# Altium PCB BMS_Carrier_Board.PcbDoc (part 1 of 2)
Units mm, origin at the board's own origin, x right, y up, seen from the top; angles counter-clockwise.
Board outline 65.4 x 73 mm, 2 copper layers (Top Layer, Bottom Layer); 112 components, 82 nets, 454 pads, 145 vias.
Unrouted connection lines stored in the file: 5.
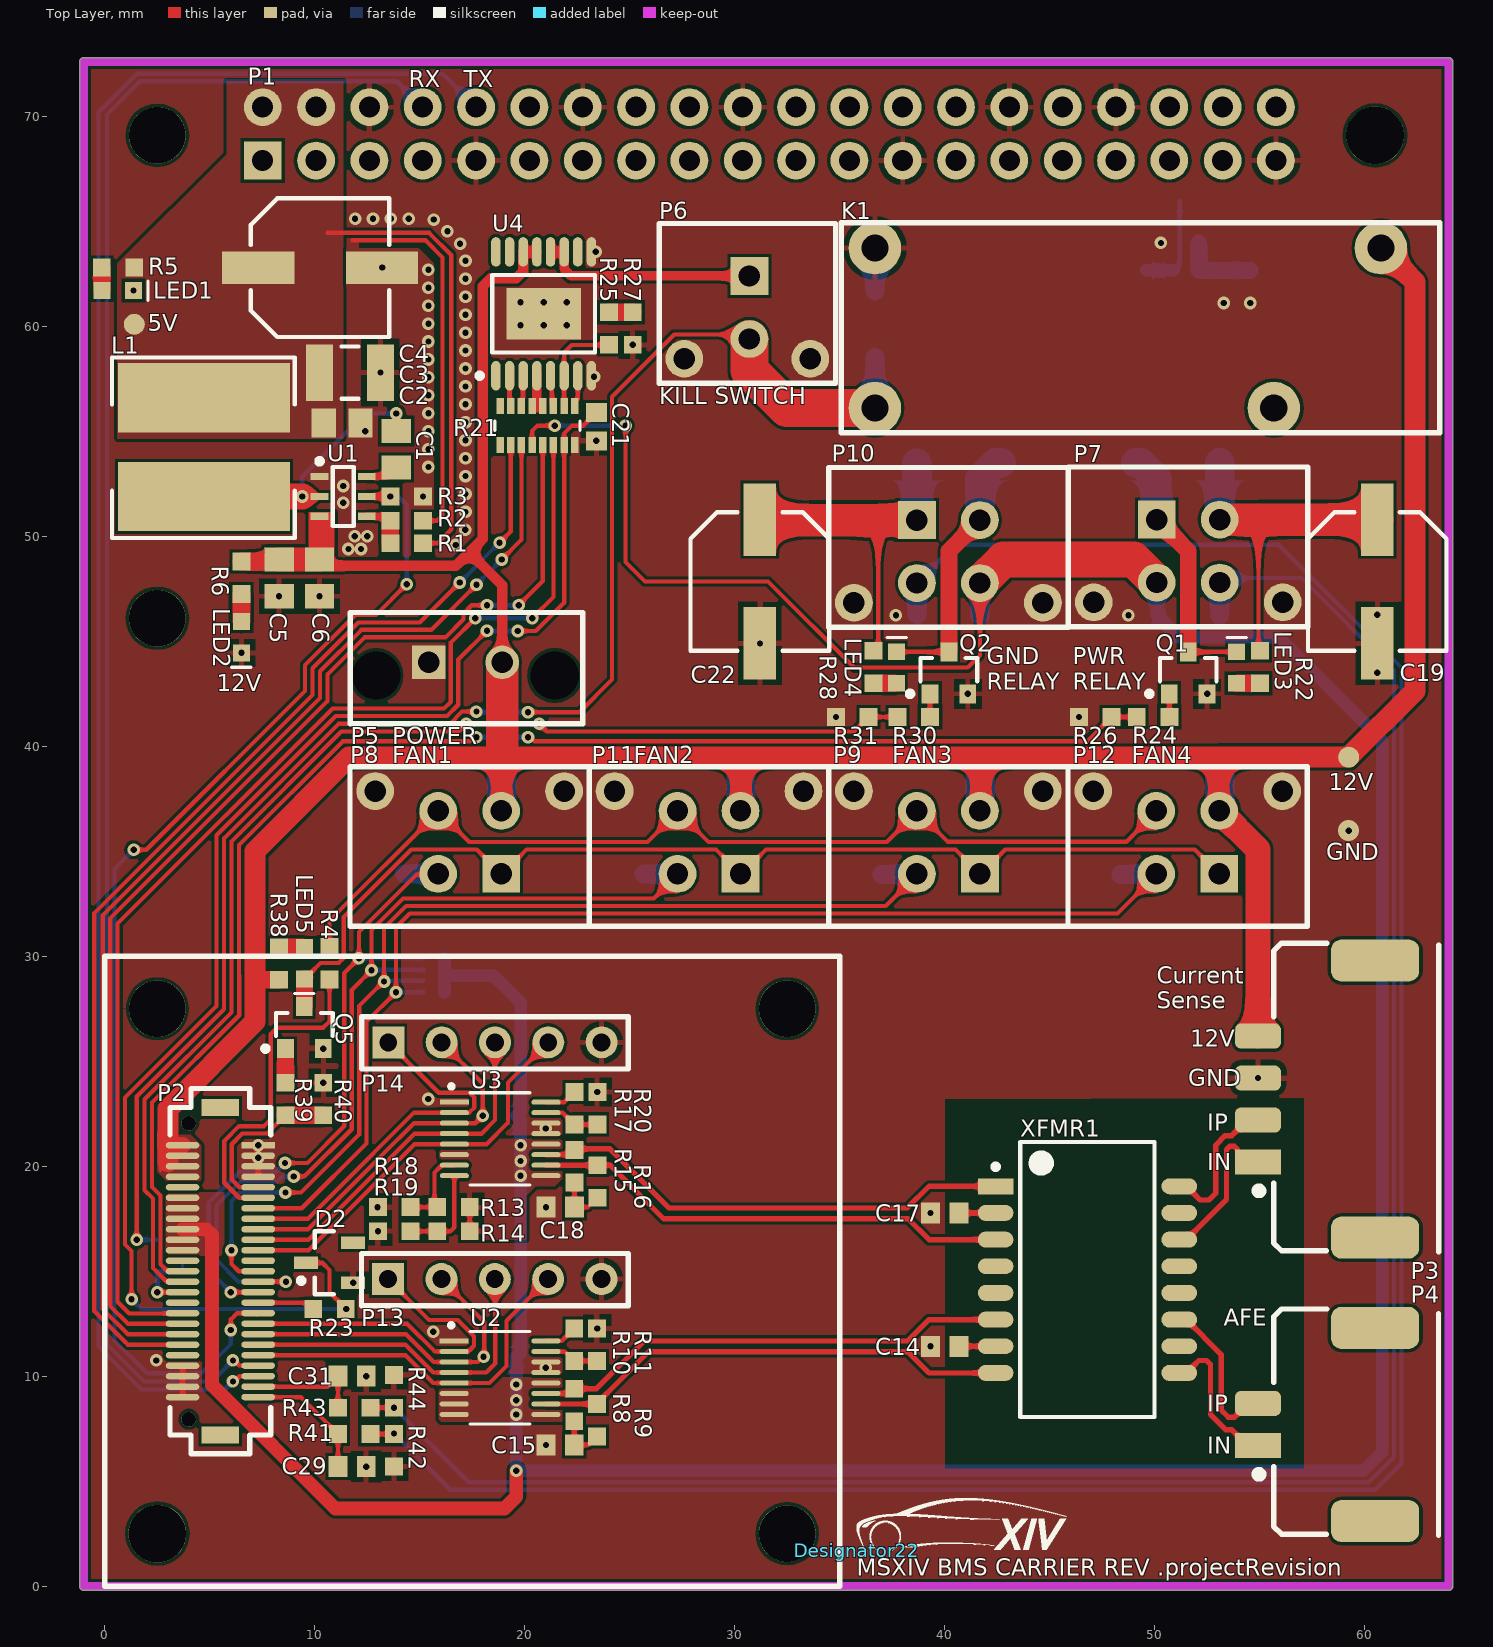
[diagram p0: Top Layer view]
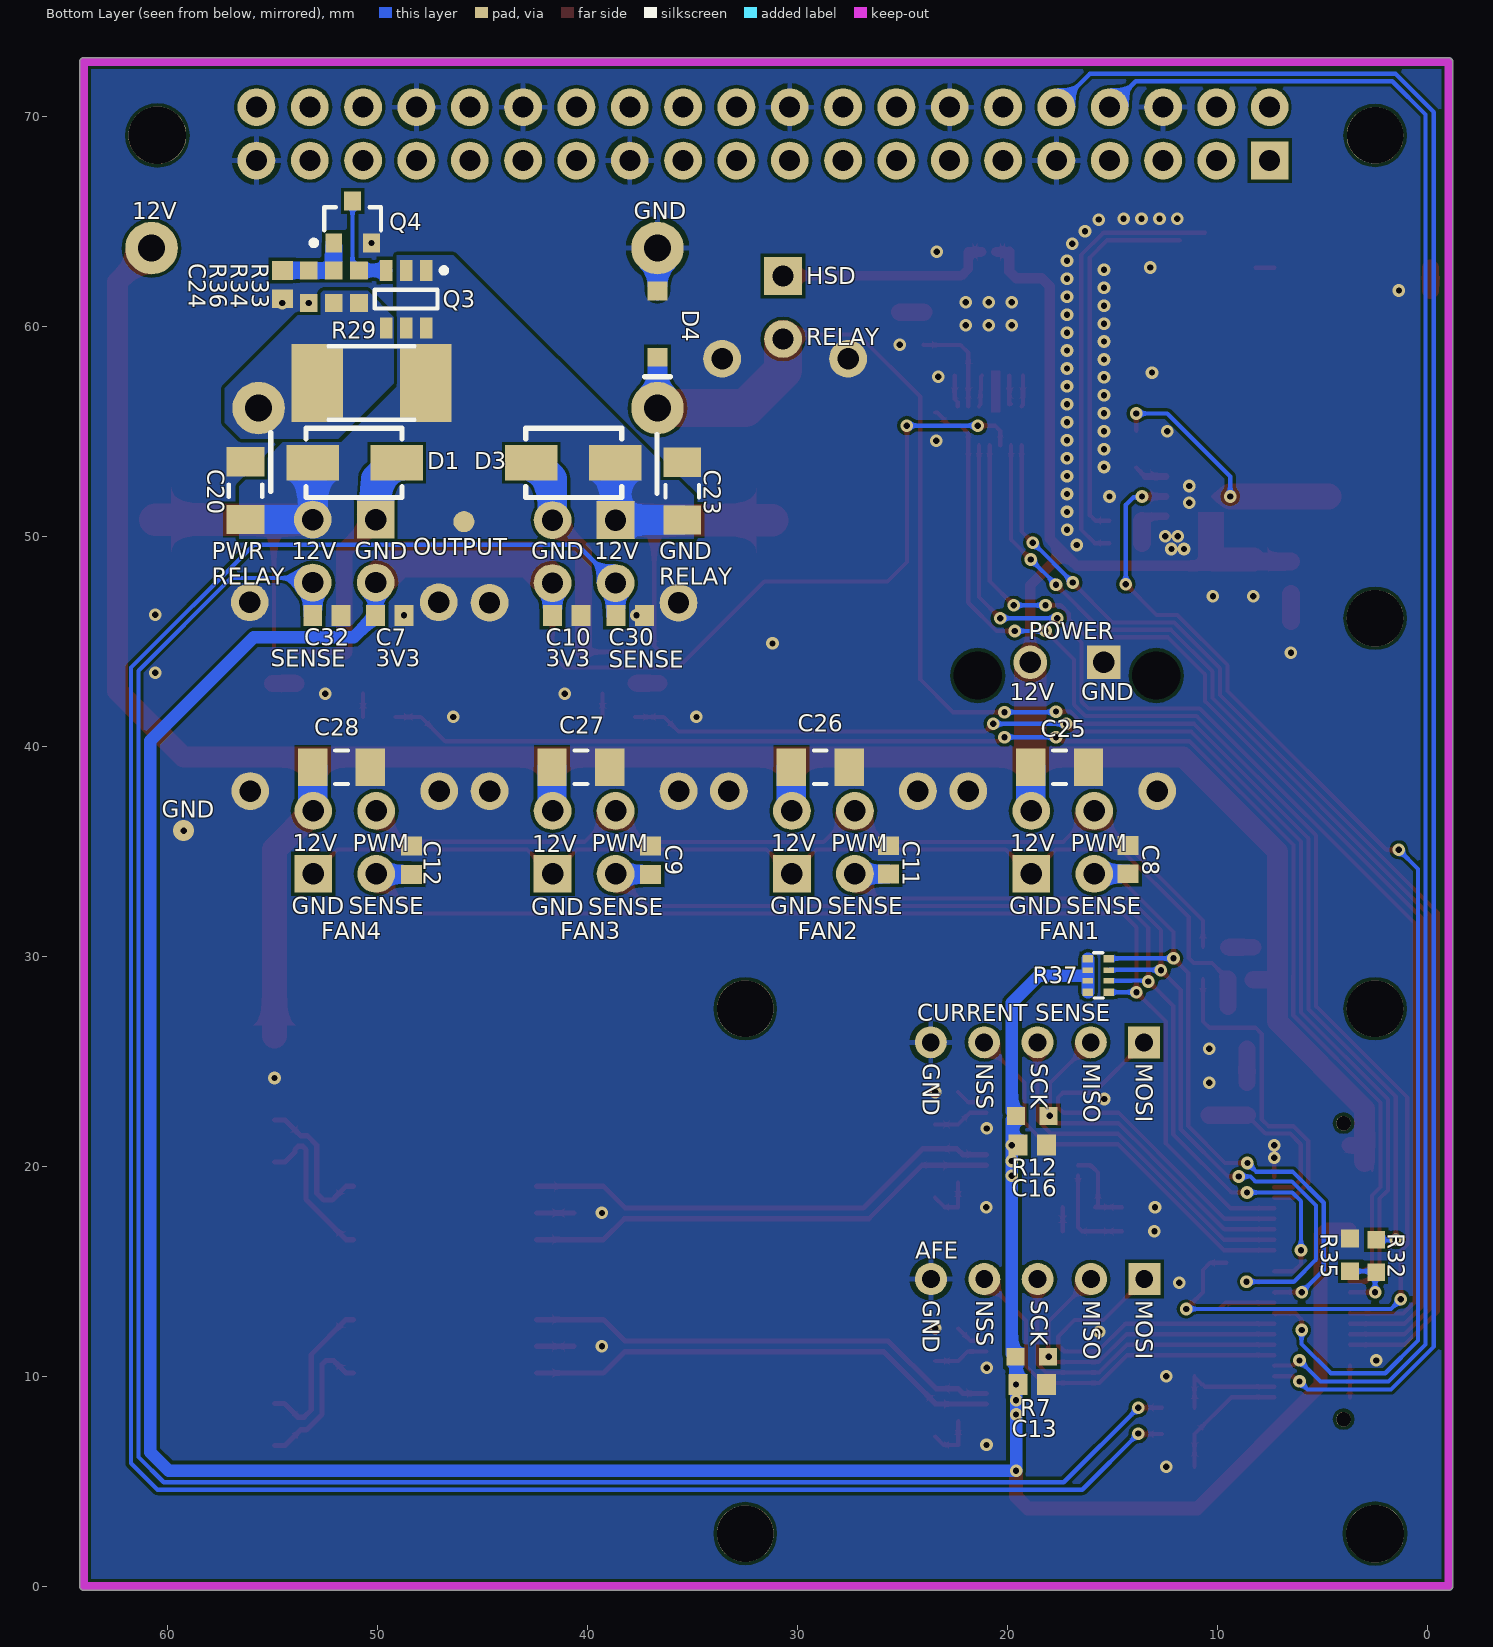
[diagram p1: Bottom Layer view, seen from below]
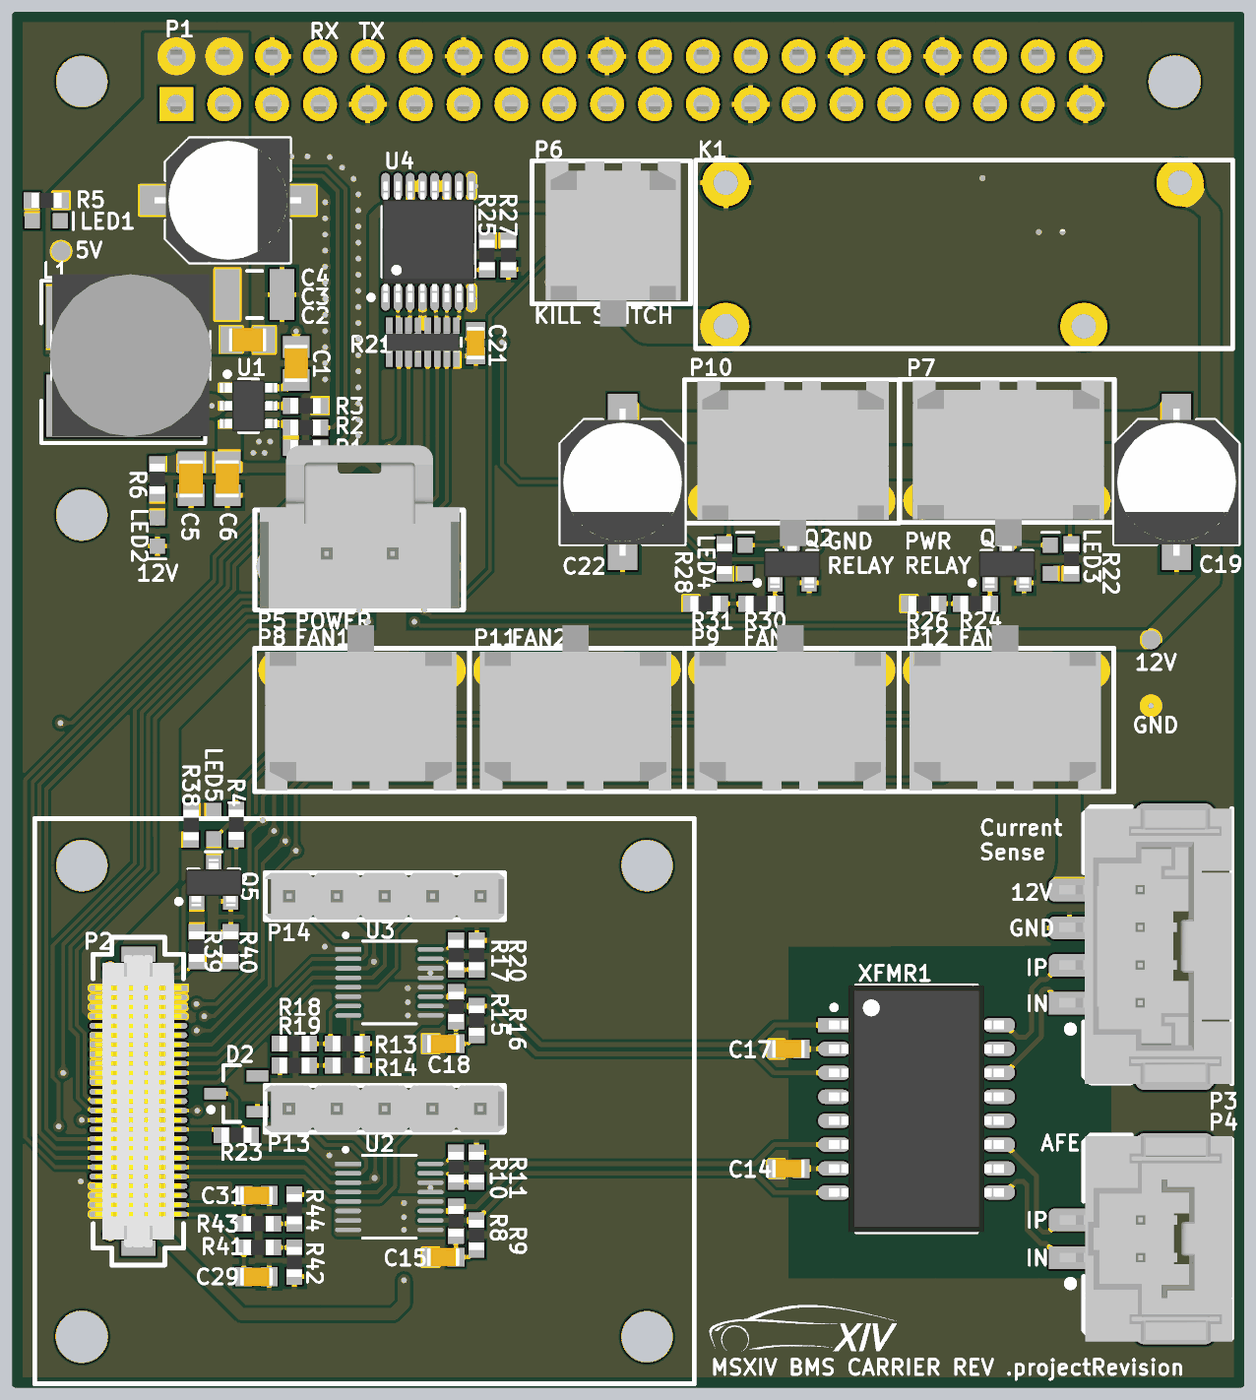
[diagram p3: 3D render of the assembled board from above, using the file's embedded part models]
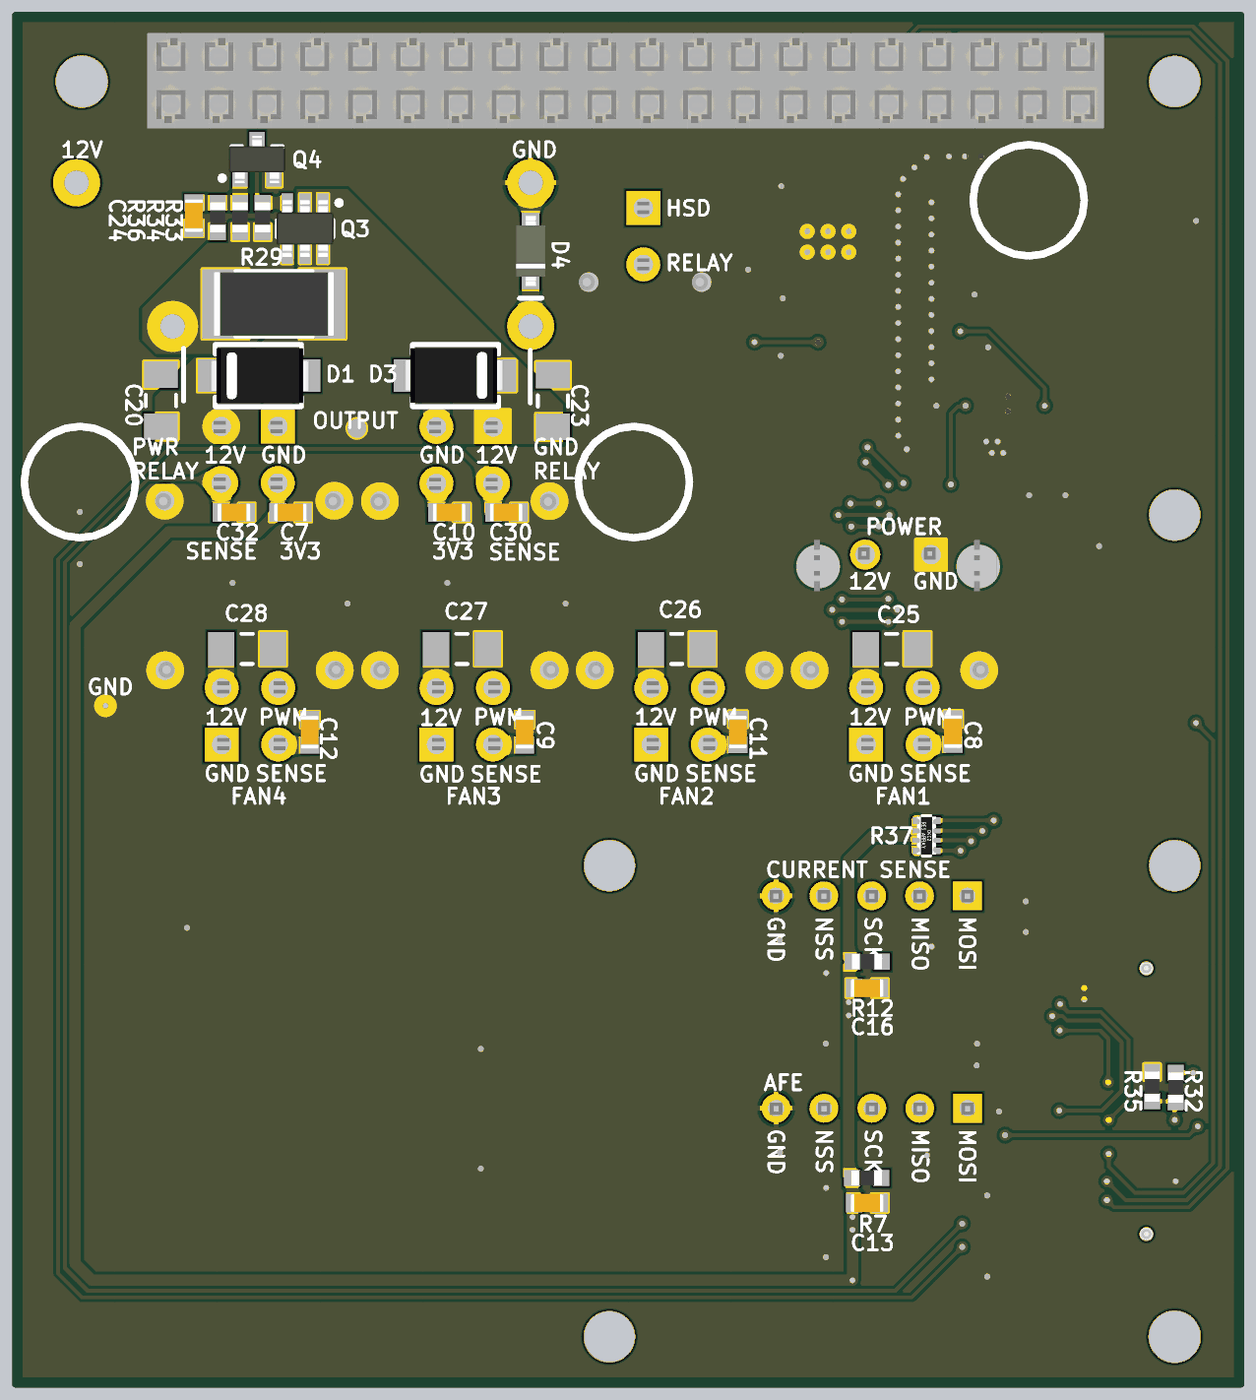
[diagram p4: 3D render of the assembled board from below, using the file's embedded part models]

## Layer stack, top to bottom
Top Solder: solder mask 0.0102, Solder Resist, Dk 3.5
Top Layer: signal copper 0.0356
Dielectric 1: dielectric 0.32, FR-4, Dk 4.8
Bottom Layer: signal copper 0.0356
Bottom Solder: solder mask 0.0102, Solder Resist, Dk 3.5

## Board outline
-1.2,0 -1.2,72.6 cw(c-1,72.6) -0.988,72.8 63.988,72.8 cw(c64,72.6) 64.2,72.617 cw(c64,72.6) 64.2,72.6 cw(c64,72.6) 64.2,72.596 64.2,72.6 ccw(c64,72.6) 64.2,72.617 64.2,72.6 64.2,0 cw(c64,0) 64,-0.2 -1,-0.2 cw(c-1,0)

## Design rules (kind name [scope] priority, off if disabled: settings)
Clearance [All] p1: gap=0.152 ignorepadtopadclearanceinfootprint=TRUE except(0: Arc-Hole Track-Hole SMDPad-Hole THPad-Hole Via-Hole Fill-Hole Poly-Hole Region-Hole Text-Hole)
DiffPairsRouting [All] p1: maxlimit=0.254 minlimit=0.254 mostfreqgap=0.254 toplayer_minwidth=0.229 toplayer_maxwidth=0.381 toplayer_prefwidth=0.254 bottomlayer_minwidth=0.229 bottomlayer_maxwidth=0.381 bottomlayer_prefwidth=0.254 maxuncoupledlength=12.7
HoleSize [All] p1: absolutevalues=TRUE maxlimit=5.08 minlimit=0.025 maxpercent=80.000 minpercent=20.000
PasteMaskExpansion [All] p1 off: expansion=0
PlaneConnect [All] p1: planeconnectstyle=Direct reliefexpansion=0.508 reliefentries=4 reliefconductorwidth=0.254 reliefairgap=0.254
PolygonConnect [All] p1: connectstyle=Direct reliefconductorwidth=0.254 reliefentries=4 polygonreliefangle="90 Angle" airgapwidth=0.254
RoutingVias [All] p1: holewidth=0.3 width=0.6 viastyle="Through Hole" minholewidth=0.3 minwidth=0.3 maxholewidth=1.27 maxwidth=1.27 viatemplateguid#1={05E78EA7-45FB-4768-8392-4064728C8E13} viatemplatename#1=v60h30m0mx0
SilkToBoardRegionClearance [All] p1 off:
SilkToSilkClearance [All] p1 off: silktosilkclearance=0.254
SilkToSolderMaskClearance [IsPad] p1 off: minsilkscreentomaskgap=0.254 clearancetoexposedcopper=TRUE
SolderMaskExpansion [All] p1: expansion=0.102 istentingtop=FALSE
Width [All] p1: maxlimit=2.54 minlimit=0.203 preferedwidth=0.203
23 further rules are at their usual default settings.

## Classes and differential pairs
component class "BMS Carrier - Firmware Contactor Control": C29 C30 C31 C32 R42 R43 R44
component class "BMS Carrier - Fan Controls": C25 C26 C27 C28 LED5 Q5 R37 R39 R40
component class "BMS Carrier - Battery Relay Controls": C19 C20 C21 C22 C23 C24 D1 D3 K1 LED3 LED5 Q1 Q2 Q3 Q4 R24 R25 R29 R31 R32 R33 R34 R37 R40 U4
component class "BMS Carrier - Current Sense Interface": C16 C17 C18 P14 R12 R13 R14 R16 R18 R20 U3 XFMR1
component class "BMS Carrier - AFE Interface": C13 C14 C15 P13 R9 R10 R12 TP3/MOSI U2
component class "BMS Carrier - Connectors": C7 C8 C9 C10 C11 C12 LED1 LED3 P3 P4 P5 P6 P7 P8 P9 P10 P11 P12 R9
component class Controller_Board_Interface: C1 C2 C3 C4 C5 C6 L1 P1 P2 R1 R2 R3 R4 U1
differential pair I: +I_P -I_N
differential pair ISOSPI: +ISOSPI_P -ISOSPI_N
differential pair CURR: +CURR_P -CURR_N
differential pair CURR_ISOSPI: +CURR_ISOSPI_P -CURR_ISOSPI_N

## Components (designator, comment, footprint, x,y, rotation, side; value= is the part's Value field where it differs from the comment)
C1 "CAP CER 0.1UF 100V 10% X7R 0805" "CAP, 0805" 13.875,54.15 r90 top
C2 "CAP CER 0.1UF 100V 10% X7R 0805" "CAP, 0805" 11.3,55.4 r0 top
C3 "CAP CER 47UF 6.3V X7R 1210" 1210 11.666,57.81 r0 top
C4 "47UF" "CAP ALUM 6.3MM RADIAL SMD" 10.25,62.8 r0 top
C5 "CAP CER 22UF 35V X5R 0805" "CAP, 0805" 8.299,48.023 r270 top
C6 "CAP CER 0.1UF 100V 10% X7R 0805" "CAP, 0805" 10.225,48.023 r270 top
C7 "CAP CER 10nF 50V 5% X7R 0603" "CAP, 0603" 49.426,46.237 r180 bottom
C8 "CAP CER 10nF 50V 5% X7R 0603" "CAP, 0603" 14.263,34.608 r90 bottom
C9 "CAP CER 10nF 50V 5% X7R 0603" "CAP, 0603" 37.001,34.575 r90 bottom
C10 "CAP CER 10nF 50V 5% X7R 0603" "CAP, 0603" 41.003,46.237 r180 bottom
C11 "CAP CER 10nF 50V 5% X7R 0603" "CAP, 0603" 25.676,34.591 r90 bottom
C12 "CAP CER 10nF 50V 5% X7R 0603" "CAP, 0603" 48.401,34.575 r90 bottom
C13 "CAP CER 0.1UF 50V 10% X7R 0603" "CAP, 0603" 18.825,9.6 r180 bottom
C14 "CAP CER 20PF 50V ±5% C0G/NP0 0603" "CAP, 0603" 40,11.425 r180 top
C15 "CAP CER 10nF 50V 5% X7R 0603" "CAP, 0603" 21.682,6.725 r180 top
C16 "CAP CER 0.1UF 50V 10% X7R 0603" "CAP, 0603" 18.825,21 r180 bottom
C17 "CAP CER 20PF 50V ±5% C0G/NP0 0603" "CAP, 0603" 40,17.775 r180 top
C18 "CAP CER 10nF 50V 5% X7R 0603" "CAP, 0603" 21.689,18.05 r180 top
C19 "47UF" "CAP ALUM 6.3MM RADIAL SMD" 60.6,47.85 r270 top
C20 "CAP CER 2.2UF 100V ±20% X7R 1206" "CAP, 1206" 56.3,52.175 r90 bottom
C21 "CAP CER 0.1UF 50V 10% X7R 0603" "CAP, 0603" 23.405,55.224 r270 top
C22 "47UF" "CAP ALUM 6.3MM RADIAL SMD" 31.2,47.85 r270 top
C23 "CAP CER 2.2UF 100V ±20% X7R 1206" "CAP, 1206" 35.5,52.152 r90 bottom
C24 "CAP CER 1UF 50V 10% X7R 0603" "CAP, 0603" 54.55,61.99 r270 bottom
C25 "CAP CER 2.2UF 100V ±20% X7R 1206" "CAP, 1206" 17.526,39 r180 bottom
C26 "CAP CER 2.2UF 100V ±20% X7R 1206" "CAP, 1206" 28.926,39 r180 bottom
C27 "CAP CER 2.2UF 100V ±20% X7R 1206" "CAP, 1206" 40.326,39 r180 bottom
C28 "CAP CER 2.2UF 100V ±20% X7R 1206" "CAP, 1206" 51.726,39 r180 bottom
C29 "CAP CER 0.1UF 50V 10% X7R 0603" "CAP, 0603" 11.775,5.691 r0 top
C30 "CAP CER 10nF 50V 5% X7R 0603" "CAP, 0603" 37.976,46.238 r180 bottom
C31 "CAP CER 0.1UF 50V 10% X7R 0603" "CAP, 0603" 11.775,10 r0 top
C32 "CAP CER 10nF 50V 5% X7R 0603" "CAP, 0603" 52.424,46.237 r180 bottom
D1 "DIODE SCHOTTKY 60V 3A SMA" "DIODE, SMA" 49.1,53.5 r0 bottom
D2 "DIODE ZENER 3.3V 250mW" SOT23 10.7,15.4 r180 top
D3 "DIODE SCHOTTKY 60V 3A SMA" "DIODE, SMA" 42.7,53.5 r180 bottom
D4 "DIODE GEN PURP 100V 300MA SOD123" "DIODE GEN PURP 100V 300MA SOD123" 36.678,60.11 r90 bottom
Designator22 "Comment" "MSXIV Logo SMALL" 35.8,1.7 r0 top
K1 "G6RN-1A DC12" "RELAY SPST 8A 12VDC" 35.078,54.92 r0 top
L1 "IND 3.3uH 5.2A 20MOHM SMD" "IND 3.3UH 5.2A 20 MOHM SMD VLP8040" 4.721,51.9 r90 top
LED1 "LED GREEN CLEAR 2V 0603" LED_0603 -0.086,61.7 r0 top
LED2 "LED BLUE CLEAR 2.8V 0603" LED_0603 6.5,45.901 r270 top
LED3 "LED YELLOW CLEAR 2.1V 0603" LED_0603 53.91,43.05 r90 top
LED4 "LED YELLOW CLEAR 2.1V 0603" LED_0603 37.71,43.05 r90 top
LED5 "LED YELLOW CLEAR 2.1V 0603" LED_0603 9.5,30.366 r270 top
P1 "CONN 40POS RECEPTACLE 2.54 mm" "CONN 40POS RECEPTACLE 2.54 MM" 7.52,67.9 r0 top locked
P2 "CONN 50POS Bergstak Plug 0.02\"" "CONN, BERGSTAK 50 POS PLUG" 5.5,15 r0 top
P3 "Dura-Clik" "CONN, 4POS DURA-CLIK VERT" 54.92,20.2 r90 top
P4 "Dura-Clik" "CONN, 2POS DURA-CLICK VERTICAL" 54.92,6.7 r90 top
P5 "CONN 2POS ULTRA-FIT 0.138\"" "CONN, 2POS ULTRA-FIT" 15.426,44 r0 top
P6 "CONN 2POS MICRO-FIT 3mm" "CONN, 2POS MICRO-FIT" 30.6,62.4 r180 top
P7 "CONN 4POS MICRO-FIT 3mm" "CONN, 4POS MICRO-FIT" 46.699,51.06 r180 top
P8 "CONN 4POS MICRO-FIT 3mm" "CONN, 4POS MICRO-FIT" 22.275,33.665 r0 top
P9 "CONN 4POS MICRO-FIT 3mm" "CONN, 4POS MICRO-FIT" 45.075,33.665 r0 top
P10 "CONN 4POS MICRO-FIT 3mm" "CONN, 4POS MICRO-FIT" 35.278,51.037 r180 top
P11 "CONN 4POS MICRO-FIT 3mm" "CONN, 4POS MICRO-FIT" 33.675,33.665 r0 top
P12 "CONN 4POS MICRO-FIT 3mm" "CONN, 4POS MICRO-FIT" 56.475,33.665 r0 top
P13 "5POS 0.1\"" "CONN, 5POS HEADR 0.1\"" 13.492,14.625 r0 top
P14 "5POS 0.1\"" "CONN, 5POS HEADR 0.1\"" 13.5,25.9 r0 top
Q1 "MOSFET N-CH 30V 6.2A 0.9W SOT-23" "MOSFET N-CH 30V 6.2A 0.9W SOT-23" 51.6,43.5 r90 top
Q2 "MOSFET N-CH 30V 6.2A 0.9W SOT-23" "MOSFET N-CH 30V 6.2A 0.9W SOT-23" 40.2,43.5 r90 top
Q3 "MOSFET P-CH 30V 4A 1.6W SOT-23-6" P-MOSFET 48.65,61.3 r270 bottom
Q4 "MOSFET N-CH 30V 6.2A 0.9W SOT-23" "MOSFET N-CH 30V 6.2A 0.9W SOT-23" 51.2,64.975 r90 bottom
Q5 "MOSFET N-CH 30V 6.2A 0.9W SOT-23" "MOSFET N-CH 30V 6.2A 0.9W SOT-23" 9.5,26.6 r90 top
R1 "RES 54.9K OHM 1% 1/10W 0603" "RES, 0603" 14.375,49.675 r180 top
R2 "RES 10K OHM 1% 1/10W 0603" "RES, 0603" 14.375,50.745 r0 top
R3 "RES 10K OHM 1% 1/10W 0603" "RES, 0603" 14.375,51.9 r0 top
R4 "RES 22.1 OHM 1% 1/10W 0603" "RES, 0603" 10.7,29.675 r270 top
R5 "RES 4.7K OHM 1% 1/10W 0603" "RES, 0603" 0.625,62.8 r180 top
R6 "RES 4.7K OHM 1% 1/10W 0603" "RES, 0603" 6.5,48.023 r270 top